# Altium PCB Sensor.PcbDoc (part 3 of 3)
Units mil, origin at the board's own origin, x right, y up, seen from the top; angles counter-clockwise.
Board outline 4420 x 3000 mil, 2 copper layers (Top Layer, Bottom Layer); 1207 components, 78 nets, 2560 pads, 1349 vias.
Unrouted connection lines stored in the file: 1.
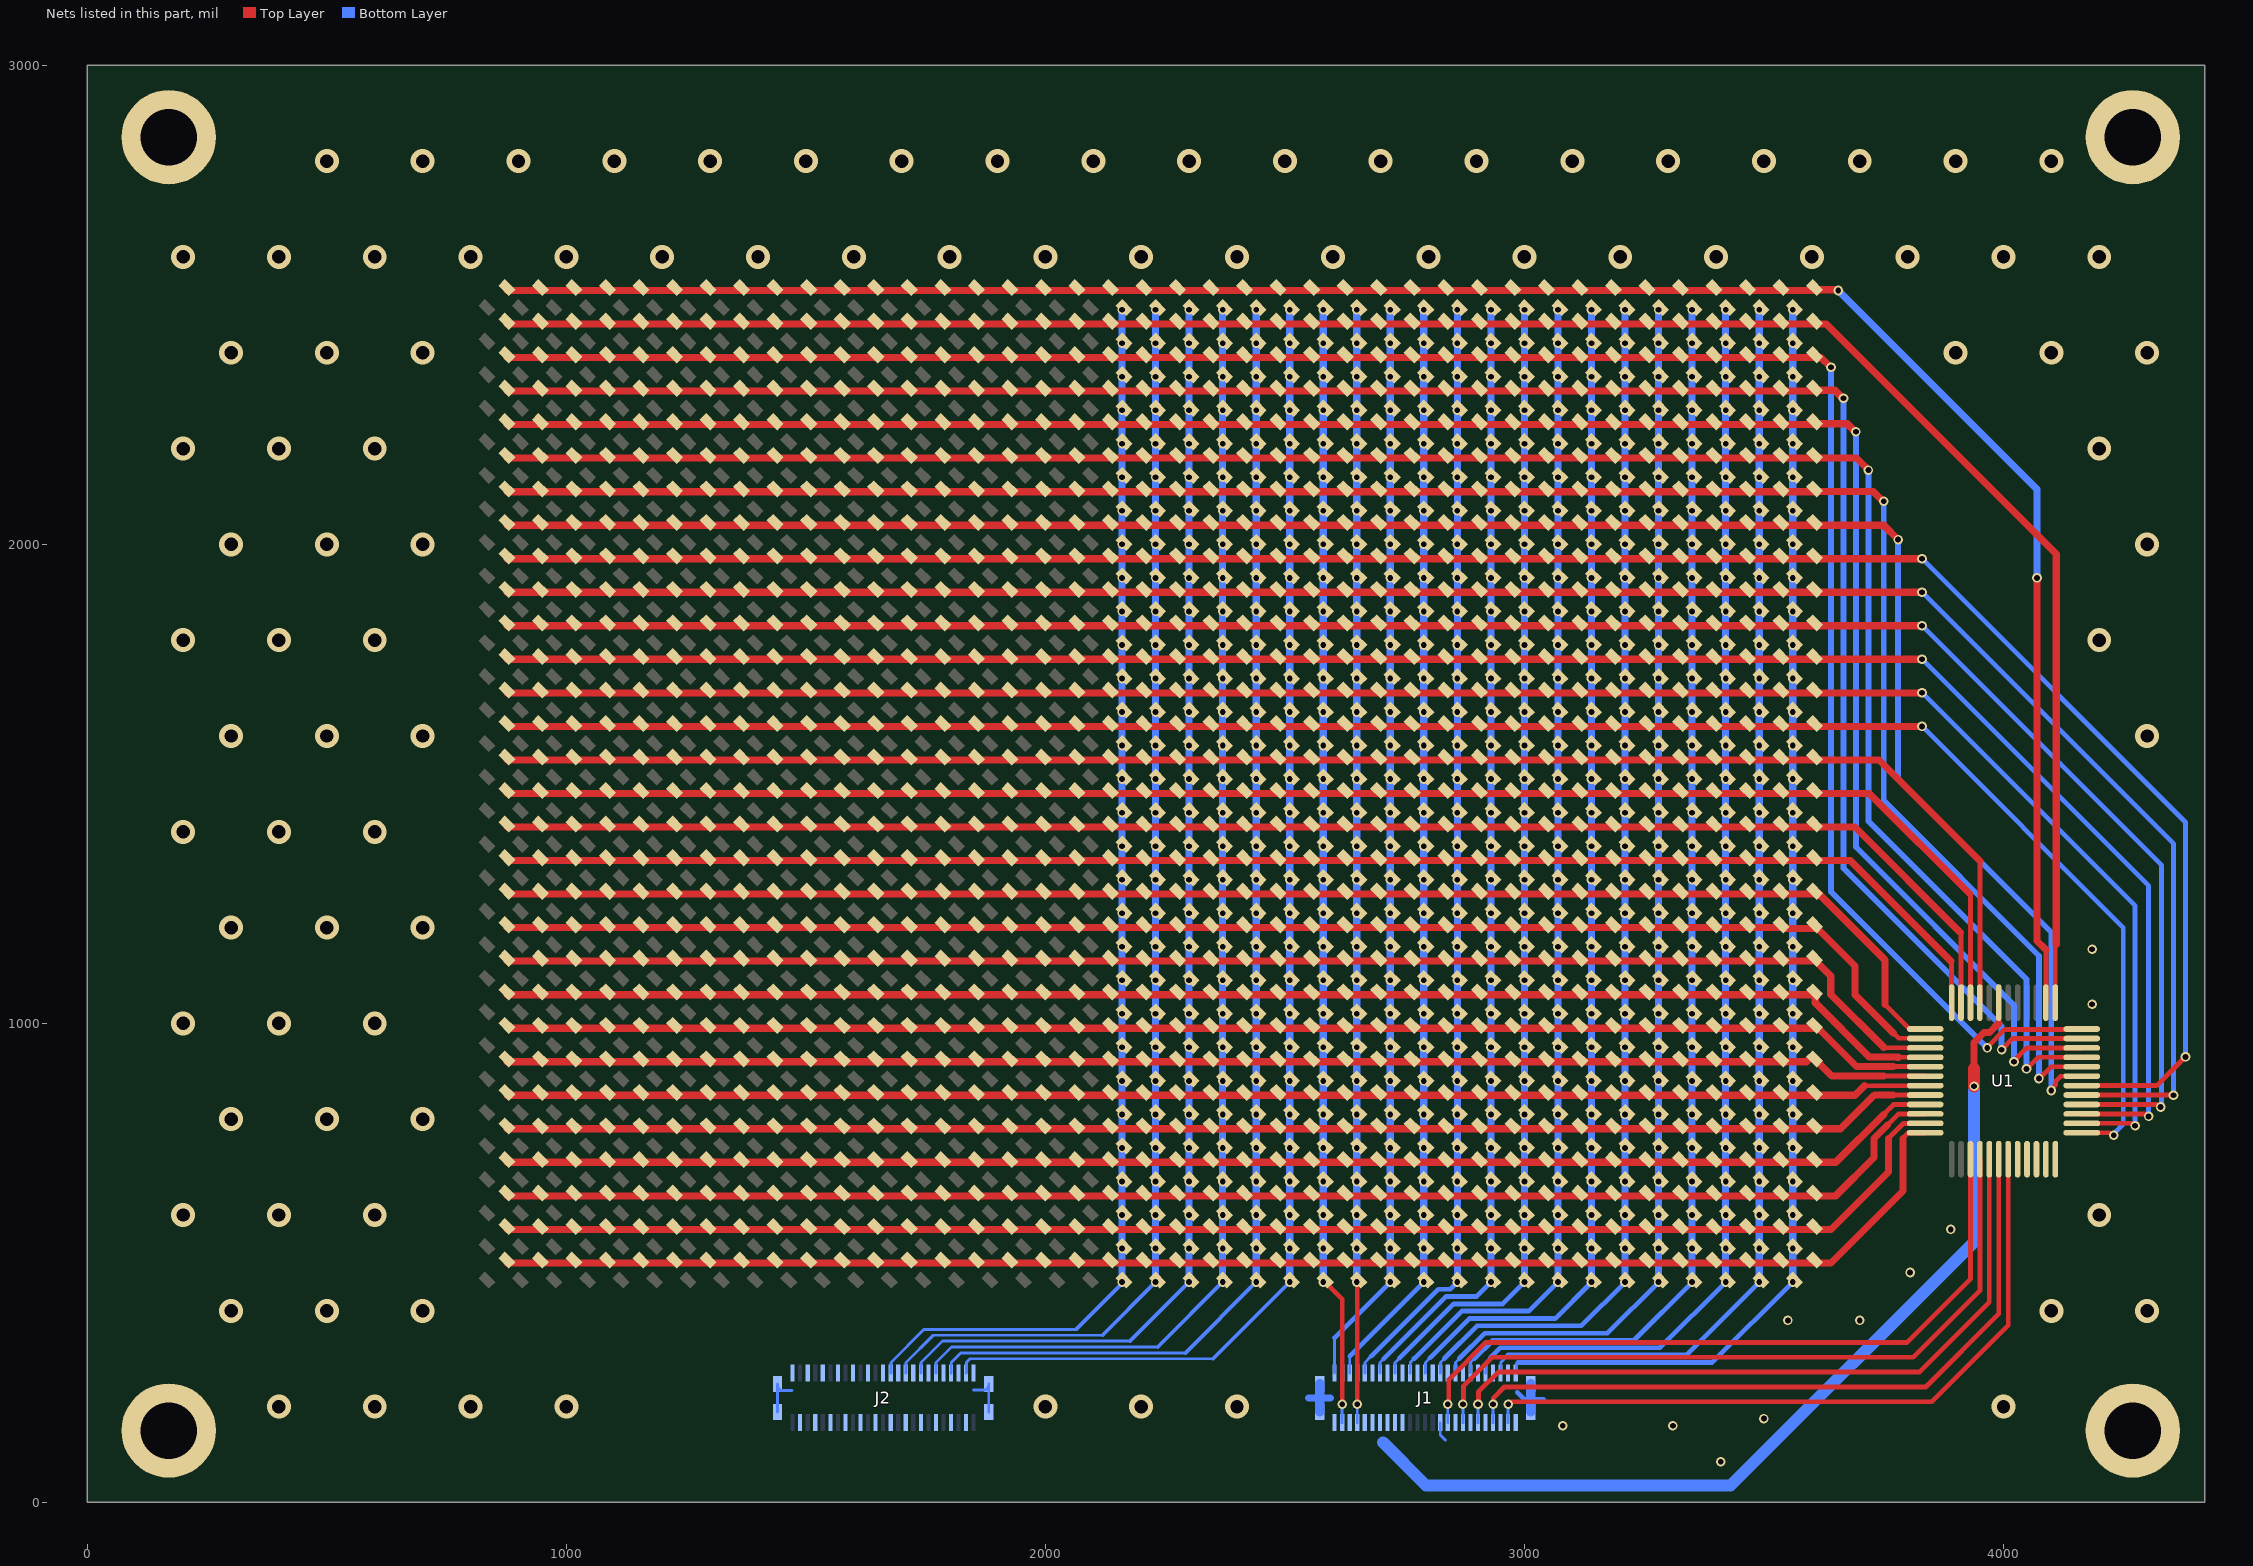
[diagram p3: the nets of this part, all layers, seen from the top]

## Via types
v1: diameter 20, hole 12, Top Layer to Bottom Layer, 1258 vias
v2: diameter 50, hole 28, Top Layer to Bottom Layer, 91 vias

## Nets (pads, with @x,y where several pads share a name; then routed paths per layer and width w, separated by ;. In a path a pad name is that pad's centre, name@x,y a point inside that pad or via, vN(x,y) a via of type N, cw(c..) or ccw(c..) an arc to the next point about the centre after c; other vN are vias at no path point) (continued)
COL_19: J2.28 Q20.C Q60.C Q100.C Q140.C Q180.C Q220.C Q260.C Q300.C Q340.C Q380.C Q420.C Q460.C Q500.C Q540.C Q580.C Q620.C Q660.C Q700.C Q740.C Q780.C Q820.C Q860.C Q900.C Q940.C Q980.C Q1020.C Q1060.C Q1100.C Q1140.C Q1180.C | length 2606
  Bottom Layer w6: J2.28@1677.01,270 1677.43,270.42 1677.43,292.27 1746.52,361.36 2064,361.36 ; v1@2160,457.36 v1(2160,460)
  Bottom Layer w8: 2064,361.36 v1@2160,457.36
  Bottom Layer w15: v1(2160,460) v1(2160,530) v1(2160,600) v1(2160,670) v1(2160,740) v1(2160,810) v1(2160,880) v1(2160,950) v1(2160,1020) v1(2160,1090) v1(2160,1160) v1(2160,1230) v1(2160,1300) v1(2160,1370) v1(2160,1440) v1(2160,1510) v1(2160,1580) v1(2160,1650) v1(2160,1720) v1(2160,1790) v1(2160,1860) v1(2160,1930) v1(2160,2000) v1(2160,2070) v1(2160,2140) v1(2160,2210) v1(2160,2280) v1(2160,2350) v1(2160,2420) v1(2160,2490)
COL_20: J2.32 Q21.C Q61.C Q101.C Q141.C Q181.C Q221.C Q261.C Q301.C Q341.C Q381.C Q421.C Q461.C Q501.C Q541.C Q581.C Q621.C Q661.C Q701.C Q741.C Q781.C Q821.C Q861.C Q901.C Q941.C Q981.C Q1021.C Q1061.C Q1101.C Q1141.C Q1181.C | length 2643
  Bottom Layer w6: J2.32@1708.5,270 1708.92,270.42 1708.92,292.27 1765.74,349.09 2119.09,349.09
  Bottom Layer w8: 2119.09,349.09 v1(2230,460)
  Bottom Layer w15: v1(2230,460) v1(2230,530) v1(2230,600) v1(2230,670) v1(2230,740) v1(2230,810) v1(2230,880) v1(2230,950) v1(2230,1020) v1(2230,1090) v1(2230,1160) v1(2230,1230) v1(2230,1300) v1(2230,1370) v1(2230,1440) v1(2230,1510) v1(2230,1580) v1(2230,1650) v1(2230,1720) v1(2230,1790) v1(2230,1860) v1(2230,1930) v1(2230,2000) v1(2230,2070) v1(2230,2140) v1(2230,2210) v1(2230,2280) v1(2230,2350) v1(2230,2420) v1(2230,2490)
COL_21: J2.36 Q22.C Q62.C Q102.C Q142.C Q182.C Q222.C Q262.C Q302.C Q342.C Q382.C Q422.C Q462.C Q502.C Q542.C Q582.C Q622.C Q662.C Q702.C Q742.C Q782.C Q822.C Q862.C Q902.C Q942.C Q982.C Q1022.C Q1062.C Q1102.C Q1142.C Q1182.C | length 2681.5
  Bottom Layer w6: J2.36@1740,270 1740.42,270.42 1740.42,292.27 1784.96,336.82 2176.82,336.82
  Bottom Layer w8: 2176.82,336.82 v1(2300,460)
  Bottom Layer w15: v1(2300,460) v1(2300,530) v1(2300,600) v1(2300,670) v1(2300,740) v1(2300,810) v1(2300,880) v1(2300,950) v1(2300,1020) v1(2300,1090) v1(2300,1160) v1(2300,1230) v1(2300,1300) v1(2300,1370) v1(2300,1440) v1(2300,1510) v1(2300,1580) v1(2300,1650) v1(2300,1720) v1(2300,1790) v1(2300,1860) v1(2300,1930) v1(2300,2000) v1(2300,2070) v1(2300,2140) v1(2300,2210) v1(2300,2280) v1(2300,2350) v1(2300,2420) v1(2300,2490)
COL_22: J2.40 Q23.C Q63.C Q103.C Q143.C Q183.C Q223.C Q263.C Q303.C Q343.C Q383.C Q423.C Q463.C Q503.C Q543.C Q583.C Q623.C Q663.C Q703.C Q743.C Q783.C Q823.C Q863.C Q903.C Q943.C Q983.C Q1023.C Q1063.C Q1103.C Q1143.C Q1183.C | length 2720
  Bottom Layer w6: J2.40@1771.5,270 1771.91,270.42 1771.91,292.27 1804.19,324.55 2234.55,324.55
  Bottom Layer w8: 2234.55,324.55 v1(2370,460)
  Bottom Layer w15: v1(2370,460) v1(2370,530) v1(2370,600) v1(2370,670) v1(2370,740) v1(2370,810) v1(2370,880) v1(2370,950) v1(2370,1020) v1(2370,1090) v1(2370,1160) v1(2370,1230) v1(2370,1300) v1(2370,1370) v1(2370,1440) v1(2370,1510) v1(2370,1580) v1(2370,1650) v1(2370,1720) v1(2370,1790) v1(2370,1860) v1(2370,1930) v1(2370,2000) v1(2370,2070) v1(2370,2140) v1(2370,2210) v1(2370,2280) v1(2370,2350) v1(2370,2420) v1(2370,2490)
COL_23: J2.44 Q24.C Q64.C Q104.C Q144.C Q184.C Q224.C Q264.C Q304.C Q344.C Q384.C Q424.C Q464.C Q504.C Q544.C Q584.C Q624.C Q664.C Q704.C Q744.C Q784.C Q824.C Q864.C Q904.C Q944.C Q984.C Q1024.C Q1064.C Q1104.C Q1144.C Q1184.C | length 2758.5
  Bottom Layer w6: J2.44@1802.99,270 1803.41,270.42 1803.41,292.27 1823.41,312.27 2292.27,312.27
  Bottom Layer w8: 2292.27,312.27 v1(2440,460)
  Bottom Layer w15: v1(2440,460) v1(2440,530) v1(2440,600) v1(2440,670) v1(2440,740) v1(2440,810) v1(2440,880) v1(2440,950) v1(2440,1020) v1(2440,1090) v1(2440,1160) v1(2440,1230) v1(2440,1300) v1(2440,1370) v1(2440,1440) v1(2440,1510) v1(2440,1580) v1(2440,1650) v1(2440,1720) v1(2440,1790) v1(2440,1860) v1(2440,1930) v1(2440,2000) v1(2440,2070) v1(2440,2140) v1(2440,2210) v1(2440,2280) v1(2440,2350) v1(2440,2420) v1(2440,2490)
COL_24: J2.48 Q25.C Q65.C Q105.C Q145.C Q185.C Q225.C Q265.C Q305.C Q345.C Q385.C Q425.C Q465.C Q505.C Q545.C Q585.C Q625.C Q665.C Q705.C Q745.C Q785.C Q825.C Q865.C Q905.C Q945.C Q985.C Q1025.C Q1065.C Q1105.C Q1145.C Q1185.C | length 2797
  Bottom Layer w6: J2.48@1834.49,270 1834.91,270.42 1834.91,292.27 1842.63,300 2350,300
  Bottom Layer w8: 2350,300 v1(2510,460)
  Bottom Layer w15: v1(2510,460) v1(2510,530) v1(2510,600) v1(2510,670) v1(2510,740) v1(2510,810) v1(2510,880) v1(2510,950) v1(2510,1020) v1(2510,1090) v1(2510,1160) v1(2510,1230) v1(2510,1300) v1(2510,1370) v1(2510,1440) v1(2510,1510) v1(2510,1580) v1(2510,1650) v1(2510,1720) v1(2510,1790) v1(2510,1860) v1(2510,1930) v1(2510,2000) v1(2510,2070) v1(2510,2140) v1(2510,2210) v1(2510,2280) v1(2510,2350) v1(2510,2420) v1(2510,2490)
COL_25: J1.48 Q26.C Q66.C Q106.C Q146.C Q186.C Q226.C Q266.C Q306.C Q346.C Q386.C Q426.C Q466.C Q506.C Q546.C Q586.C Q626.C Q666.C Q706.C Q746.C Q786.C Q826.C Q866.C Q906.C Q946.C Q986.C Q1026.C Q1066.C Q1106.C Q1146.C Q1186.C | length 2342.3
  Top Layer w6: Q26.C@2584.12,459.88 Q26.C@2584.12,464.12
  Top Layer w10: Q26.C@2584.12,459.88 2619.53,424.47 v1(2619.53,205)
  Bottom Layer w6: J1.48@2619.53,166.46 v1(2619.53,205)
  Bottom Layer w15: v1(2580,460) v1(2580,530) v1(2580,600) v1(2580,670) v1(2580,740) v1(2580,810) v1(2580,880) v1(2580,950) v1(2580,1020) v1(2580,1090) v1(2580,1160) v1(2580,1230) v1(2580,1300) v1(2580,1370) v1(2580,1440) v1(2580,1510) v1(2580,1580) v1(2580,1650) v1(2580,1720) v1(2580,1790) v1(2580,1860) v1(2580,1930) v1(2580,2000) v1(2580,2070) v1(2580,2140) v1(2580,2210) v1(2580,2280) v1(2580,2350) v1(2580,2420) v1(2580,2490)
COL_26: J1.44 Q27.C Q67.C Q107.C Q147.C Q187.C Q227.C Q267.C Q307.C Q347.C Q387.C Q427.C Q467.C Q507.C Q547.C Q587.C Q627.C Q667.C Q707.C Q747.C Q787.C Q827.C Q867.C Q907.C Q947.C Q987.C Q1027.C Q1067.C Q1107.C Q1147.C Q1187.C | length 2328.9
  Top Layer w6: Q27.C@2651.02,456.78 2654.12,459.88 Q27.C@2654.12,464.12
  Top Layer w10: v1(2651.02,205) Q27.C@2651.02,456.78
  Bottom Layer w6: J1.44@2651.02,166.46 v1(2651.02,205)
  Bottom Layer w15: v1(2650,460) v1(2650,530) v1(2650,600) v1(2650,670) v1(2650,740) v1(2650,810) v1(2650,880) v1(2650,950) v1(2650,1020) v1(2650,1090) v1(2650,1160) v1(2650,1230) v1(2650,1300) v1(2650,1370) v1(2650,1440) v1(2650,1510) v1(2650,1580) v1(2650,1650) v1(2650,1720) v1(2650,1790) v1(2650,1860) v1(2650,1930) v1(2650,2000) v1(2650,2070) v1(2650,2140) v1(2650,2210) v1(2650,2280) v1(2650,2350) v1(2650,2420) v1(2650,2490)
COL_27: J1.49 Q28.C Q68.C Q108.C Q148.C Q188.C Q228.C Q268.C Q308.C Q348.C Q388.C Q428.C Q468.C Q508.C Q548.C Q588.C Q628.C Q668.C Q708.C Q748.C Q788.C Q828.C Q868.C Q908.C Q948.C Q988.C Q1028.C Q1068.C Q1108.C Q1148.C Q1188.C | length 2268.1
  Bottom Layer w6: J1.49@2603.78,270 2603.78,343.78
  Bottom Layer w10: 2603.78,343.78 v1(2720,460)
  Bottom Layer w15: v1(2720,460) v1(2720,530) v1(2720,600) v1(2720,670) v1(2720,740) v1(2720,810) v1(2720,880) v1(2720,950) v1(2720,1020) v1(2720,1090) v1(2720,1160) v1(2720,1230) v1(2720,1300) v1(2720,1370) v1(2720,1440) v1(2720,1510) v1(2720,1580) v1(2720,1650) v1(2720,1720) v1(2720,1790) v1(2720,1860) v1(2720,1930) v1(2720,2000) v1(2720,2070) v1(2720,2140) v1(2720,2210) v1(2720,2280) v1(2720,2350) v1(2720,2420) v1(2720,2490)
COL_28: J1.45 Q29.C Q69.C Q109.C Q149.C Q189.C Q229.C Q269.C Q309.C Q349.C Q389.C Q429.C Q469.C Q509.C Q549.C Q589.C Q629.C Q669.C Q709.C Q749.C Q789.C Q829.C Q869.C Q909.C Q949.C Q989.C Q1029.C Q1069.C Q1109.C Q1149.C Q1189.C | length 2284.1
  Bottom Layer w6: J1.45@2635.28,270 2635.28,305.28
  Bottom Layer w10: 2635.28,305.28 v1(2790,460)
  Bottom Layer w15: v1(2790,460) v1(2790,530) v1(2790,600) v1(2790,670) v1(2790,740) v1(2790,810) v1(2790,880) v1(2790,950) v1(2790,1020) v1(2790,1090) v1(2790,1160) v1(2790,1230) v1(2790,1300) v1(2790,1370) v1(2790,1440) v1(2790,1510) v1(2790,1580) v1(2790,1650) v1(2790,1720) v1(2790,1790) v1(2790,1860) v1(2790,1930) v1(2790,2000) v1(2790,2070) v1(2790,2140) v1(2790,2210) v1(2790,2280) v1(2790,2350) v1(2790,2420) v1(2790,2490)
COL_29: J1.41 Q30.C Q70.C Q110.C Q150.C Q190.C Q230.C Q270.C Q310.C Q350.C Q390.C Q430.C Q470.C Q510.C Q550.C Q590.C Q630.C Q670.C Q710.C Q750.C Q790.C Q830.C Q870.C Q910.C Q950.C Q990.C Q1030.C Q1070.C Q1110.C Q1150.C Q1190.C | length 2314.7
  Bottom Layer w6: J1.41@2666.77,270 2667.19,270.42 2667.19,292.27 2679.96,305.04
  Bottom Layer w10: 2679.96,305.04 2819.92,445 2845,445 v1(2860,460)
  Bottom Layer w15: v1(2860,460) v1(2860,530) v1(2860,600) v1(2860,670) v1(2860,740) v1(2860,810) v1(2860,880) v1(2860,950) v1(2860,1020) v1(2860,1090) v1(2860,1160) v1(2860,1230) v1(2860,1300) v1(2860,1370) v1(2860,1440) v1(2860,1510) v1(2860,1580) v1(2860,1650) v1(2860,1720) v1(2860,1790) v1(2860,1860) v1(2860,1930) v1(2860,2000) v1(2860,2070) v1(2860,2140) v1(2860,2210) v1(2860,2280) v1(2860,2350) v1(2860,2420) v1(2860,2490)
COL_30: J1.37 Q31.C Q71.C Q111.C Q151.C Q191.C Q231.C Q271.C Q311.C Q351.C Q391.C Q431.C Q471.C Q511.C Q551.C Q591.C Q631.C Q671.C Q711.C Q751.C Q791.C Q831.C Q871.C Q911.C Q951.C Q991.C Q1031.C Q1071.C Q1111.C Q1151.C Q1191.C | length 2352.2
  Bottom Layer w6: J1.37@2698.27,270 2698.69,270.42 2698.69,292.27 2706.42,300
  Bottom Layer w10: 2707.13,300.72 2836.14,429.73 2899.72,429.73 v1(2930,460)
  Bottom Layer w15: v1(2930,460) v1(2930,530) v1(2930,600) v1(2930,670) v1(2930,740) v1(2930,810) v1(2930,880) v1(2930,950) v1(2930,1020) v1(2930,1090) v1(2930,1160) v1(2930,1230) v1(2930,1300) v1(2930,1370) v1(2930,1440) v1(2930,1510) v1(2930,1580) v1(2930,1650) v1(2930,1720) v1(2930,1790) v1(2930,1860) v1(2930,1930) v1(2930,2000) v1(2930,2070) v1(2930,2140) v1(2930,2210) v1(2930,2280) v1(2930,2350) v1(2930,2420) v1(2930,2490)
COL_31: J1.33 Q32.C Q72.C Q112.C Q152.C Q192.C Q232.C Q272.C Q312.C Q352.C Q392.C Q432.C Q472.C Q512.C Q552.C Q592.C Q632.C Q672.C Q712.C Q752.C Q792.C Q832.C Q872.C Q912.C Q952.C Q992.C Q1032.C Q1072.C Q1112.C Q1152.C Q1192.C | length 2391.7
  Bottom Layer w6: J1.33@2729.76,270 2730.18,270.42 2730.18,292.27 2738.95,301.05
  Bottom Layer w10: 2738.95,301.05 2852.36,414.45 2954.45,414.45 v1(3000,460)
  Bottom Layer w15: v1(3000,460) v1(3000,530) v1(3000,600) v1(3000,670) v1(3000,740) v1(3000,810) v1(3000,880) v1(3000,950) v1(3000,1020) v1(3000,1090) v1(3000,1160) v1(3000,1230) v1(3000,1300) v1(3000,1370) v1(3000,1440) v1(3000,1510) v1(3000,1580) v1(3000,1650) v1(3000,1720) v1(3000,1790) v1(3000,1860) v1(3000,1930) v1(3000,2000) v1(3000,2070) v1(3000,2140) v1(3000,2210) v1(3000,2280) v1(3000,2350) v1(3000,2420) v1(3000,2490)
COL_32: J1.29 Q33.C Q73.C Q113.C Q153.C Q193.C Q233.C Q273.C Q313.C Q353.C Q393.C Q433.C Q473.C Q513.C Q553.C Q593.C Q633.C Q673.C Q713.C Q753.C Q793.C Q833.C Q873.C Q913.C Q953.C Q993.C Q1033.C Q1073.C Q1113.C Q1153.C Q1193.C | length 2431.8
  Bottom Layer w6: J1.29@2761.26,270 2761.68,270.42 2761.68,292.27 2769.91,300.51 ; 3008,399.18 3009.18,399.18
  Bottom Layer w10: 2769.7,300.72 2770.75,300.72 2869.48,399.45 2960.66,399.45 2960.7,399.49 3008.86,399.49 3009.18,399.18 v1(3070,460)
  Bottom Layer w15: v1(3070,460) v1(3070,530) v1(3070,600) v1(3070,670) v1(3070,740) v1(3070,810) v1(3070,880) v1(3070,950) v1(3070,1020) v1(3070,1090) v1(3070,1160) v1(3070,1230) v1(3070,1300) v1(3070,1370) v1(3070,1440) v1(3070,1510) v1(3070,1580) v1(3070,1650) v1(3070,1720) v1(3070,1790) v1(3070,1860) v1(3070,1930) v1(3070,2000) v1(3070,2070) v1(3070,2140) v1(3070,2210) v1(3070,2280) v1(3070,2350) v1(3070,2420) v1(3070,2490)
COL_33: J1.25 Q34.C Q74.C Q114.C Q154.C Q194.C Q234.C Q274.C Q314.C Q354.C Q394.C Q434.C Q474.C Q514.C Q554.C Q594.C Q634.C Q674.C Q714.C Q754.C Q794.C Q834.C Q874.C Q914.C Q954.C Q994.C Q1034.C Q1074.C Q1114.C Q1154.C Q1194.C | length 2468.7
  Bottom Layer w6: J1.25@2792.76,270 2793.17,270.42 2793.17,292.27 2802.95,302.05
  Bottom Layer w10: 2802.95,302.05 2884.8,383.9 3063.9,383.9 v1(3140,460)
  Bottom Layer w15: v1(3140,460) v1(3140,530) v1(3140,600) v1(3140,670) v1(3140,740) v1(3140,810) v1(3140,880) v1(3140,950) v1(3140,1020) v1(3140,1090) v1(3140,1160) v1(3140,1230) v1(3140,1300) v1(3140,1370) v1(3140,1440) v1(3140,1510) v1(3140,1580) v1(3140,1650) v1(3140,1720) v1(3140,1790) v1(3140,1860) v1(3140,1930) v1(3140,2000) v1(3140,2070) v1(3140,2140) v1(3140,2210) v1(3140,2280) v1(3140,2350) v1(3140,2420) v1(3140,2490)
COL_34: J1.21 Q35.C Q75.C Q115.C Q155.C Q195.C Q235.C Q275.C Q315.C Q355.C Q395.C Q435.C Q475.C Q515.C Q555.C Q595.C Q635.C Q675.C Q715.C Q755.C Q795.C Q835.C Q875.C Q915.C Q955.C Q995.C Q1035.C Q1075.C Q1115.C Q1155.C Q1195.C | length 2505.9
  Bottom Layer w6: J1.21@2824.25,270 2824.67,270.42 2824.67,292.27 2832.16,299.76
  Bottom Layer w10: 2833.11,300.72 2901.02,368.63 3118.63,368.63 v1(3210,460)
  Bottom Layer w15: v1(3210,460) v1(3210,530) v1(3210,600) v1(3210,670) v1(3210,740) v1(3210,810) v1(3210,880) v1(3210,950) v1(3210,1020) v1(3210,1090) v1(3210,1160) v1(3210,1230) v1(3210,1300) v1(3210,1370) v1(3210,1440) v1(3210,1510) v1(3210,1580) v1(3210,1650) v1(3210,1720) v1(3210,1790) v1(3210,1860) v1(3210,1930) v1(3210,2000) v1(3210,2070) v1(3210,2140) v1(3210,2210) v1(3210,2280) v1(3210,2350) v1(3210,2420) v1(3210,2490)
COL_35: J1.17 Q36.C Q76.C Q116.C Q156.C Q196.C Q236.C Q276.C Q316.C Q356.C Q396.C Q436.C Q476.C Q516.C Q556.C Q596.C Q636.C Q676.C Q716.C Q756.C Q796.C Q836.C Q876.C Q916.C Q956.C Q996.C Q1036.C Q1076.C Q1116.C Q1156.C Q1196.C | length 2545.8
  Bottom Layer w6: J1.17@2855.75,270 2856.17,270.42 2856.17,292.27 2864.45,300.55
  Bottom Layer w10: 2864.45,300.55 2917.24,353.35 3173.35,353.35 v1(3280,460)
  Bottom Layer w15: v1(3280,460) v1(3280,530) v1(3280,600) v1(3280,670) v1(3280,740) v1(3280,810) v1(3280,880) v1(3280,950) v1(3280,1020) v1(3280,1090) v1(3280,1160) v1(3280,1230) v1(3280,1300) v1(3280,1370) v1(3280,1440) v1(3280,1510) v1(3280,1580) v1(3280,1650) v1(3280,1720) v1(3280,1790) v1(3280,1860) v1(3280,1930) v1(3280,2000) v1(3280,2070) v1(3280,2140) v1(3280,2210) v1(3280,2280) v1(3280,2350) v1(3280,2420) v1(3280,2490)
COL_36: J1.13 Q37.C Q77.C Q117.C Q157.C Q197.C Q237.C Q277.C Q317.C Q357.C Q397.C Q437.C Q477.C Q517.C Q557.C Q597.C Q637.C Q677.C Q717.C Q757.C Q797.C Q837.C Q877.C Q917.C Q957.C Q997.C Q1037.C Q1077.C Q1117.C Q1157.C Q1197.C | length 2584.5
  Bottom Layer w6: J1.13@2887.24,270 2887.66,270.42 2887.66,292.27 2895.65,300.26
  Bottom Layer w10: 2895.19,300.72 2896.11,300.72 2933.47,338.08 3228.08,338.08 v1(3350,460)
  Bottom Layer w15: v1(3350,460) v1(3350,530) v1(3350,600) v1(3350,670) v1(3350,740) v1(3350,810) v1(3350,880) v1(3350,950) v1(3350,1020) v1(3350,1090) v1(3350,1160) v1(3350,1230) v1(3350,1300) v1(3350,1370) v1(3350,1440) v1(3350,1510) v1(3350,1580) v1(3350,1650) v1(3350,1720) v1(3350,1790) v1(3350,1860) v1(3350,1930) v1(3350,2000) v1(3350,2070) v1(3350,2140) v1(3350,2210) v1(3350,2280) v1(3350,2350) v1(3350,2420) v1(3350,2490)
COL_37: J1.9 Q38.C Q78.C Q118.C Q158.C Q198.C Q238.C Q278.C Q318.C Q358.C Q398.C Q438.C Q478.C Q518.C Q558.C Q598.C Q638.C Q678.C Q718.C Q758.C Q798.C Q838.C Q878.C Q918.C Q958.C Q998.C Q1038.C Q1078.C Q1118.C Q1158.C Q1198.C | length 2622.8
  Bottom Layer w6: J1.9@2918.74,270 2919.16,270.42 2919.16,292.27 2928.44,301.56
  Bottom Layer w10: 2928.44,301.56 2949.69,322.8 3282.8,322.8 v1(3420,460)
  Bottom Layer w15: v1(3420,460) v1(3420,530) v1(3420,600) v1(3420,670) v1(3420,740) v1(3420,810) v1(3420,880) v1(3420,950) v1(3420,1020) v1(3420,1090) v1(3420,1160) v1(3420,1230) v1(3420,1300) v1(3420,1370) v1(3420,1440) v1(3420,1510) v1(3420,1580) v1(3420,1650) v1(3420,1720) v1(3420,1790) v1(3420,1860) v1(3420,1930) v1(3420,2000) v1(3420,2070) v1(3420,2140) v1(3420,2210) v1(3420,2280) v1(3420,2350) v1(3420,2420) v1(3420,2490)
COL_38: J1.5 Q39.C Q79.C Q119.C Q159.C Q199.C Q239.C Q279.C Q319.C Q359.C Q399.C Q439.C Q479.C Q519.C Q559.C Q599.C Q639.C Q679.C Q719.C Q759.C Q799.C Q839.C Q879.C Q919.C Q959.C Q999.C Q1039.C Q1079.C Q1119.C Q1159.C Q1199.C | length 2661.3
  Bottom Layer w6: J1.5@2950.24,270 2950.65,270.42 2950.65,292.27 2965.91,307.53
  Bottom Layer w10: 2965.91,307.53 3337.53,307.53 v1(3490,460)
  Bottom Layer w15: v1(3490,460) v1(3490,530) v1(3490,600) v1(3490,670) v1(3490,740) v1(3490,810) v1(3490,880) v1(3490,950) v1(3490,1020) v1(3490,1090) v1(3490,1160) v1(3490,1230) v1(3490,1300) v1(3490,1370) v1(3490,1440) v1(3490,1510) v1(3490,1580) v1(3490,1650) v1(3490,1720) v1(3490,1790) v1(3490,1860) v1(3490,1930) v1(3490,2000) v1(3490,2070) v1(3490,2140) v1(3490,2210) v1(3490,2280) v1(3490,2350) v1(3490,2420) v1(3490,2490)
COL_39: J1.1 Q40.C Q80.C Q120.C Q160.C Q200.C Q240.C Q280.C Q320.C Q360.C Q400.C Q440.C Q480.C Q520.C Q560.C Q600.C Q640.C Q680.C Q720.C Q760.C Q800.C Q840.C Q880.C Q920.C Q960.C Q1000.C Q1040.C Q1080.C Q1120.C Q1160.C Q1200.C | length 2697.2
  Bottom Layer w6: J1.1@2981.73,270 2983.06,271.33 2983.06,288.74 2986.58,292.25
  Bottom Layer w10: 2986.58,292.25 3392.25,292.25 v1(3560,460)
  Bottom Layer w15: v1(3560,460) v1(3560,530) v1(3560,600) v1(3560,670) v1(3560,740) v1(3560,810) v1(3560,880) v1(3560,950) v1(3560,1020) v1(3560,1090) v1(3560,1160) v1(3560,1230) v1(3560,1300) v1(3560,1370) v1(3560,1440) v1(3560,1510) v1(3560,1580) v1(3560,1650) v1(3560,1720) v1(3560,1790) v1(3560,1860) v1(3560,1930) v1(3560,2000) v1(3560,2070) v1(3560,2140) v1(3560,2210) v1(3560,2280) v1(3560,2350) v1(3560,2420) v1(3560,2490)
GND: J1.2 J1.3 J1.6 J1.7 J1.10 J1.11 J1.14 J1.15 J1.18 J1.19 J1.22 J1.23 J1.27 J1.31 J1.32 J1.35 J1.39 J1.42 J1.43 J1.46 J1.47 J1.50 J1.MP1 J1.MP2 J1.MP3 J1.MP4 J2.2 J2.3 J2.6 J2.7 J2.10 J2.11 J2.14 J2.15 J2.18 J2.19 J2.22 J2.23 J2.26 J2.27 J2.30 J2.31 J2.34 J2.35 J2.38 J2.39 J2.42 J2.43 J2.46 J2.47 J2.50 J2.MP1 J2.MP2 J2.MP3 J2.MP4 MP1.1 MP2.1 MP3.1 MP4.1 U1.20 U1.21 U1.22 U1.23 U1.24 | length 448
  Bottom Layer w6: J2.MP1@1440.79,189.09 J2.MP2@1440.79,240.47 ; J2.MP2@1440.79,247.36 J2.MP2@1440.79,240.47 ; 1470.93,233.63 1447.63,233.63 J2.MP2@1440.79,240.47 ; 1850,235 1874.89,235 J2.MP4@1881.73,241.84 ; J2.MP3@1881.73,189.09 J2.MP4@1881.73,241.84 ; J2.MP4@1881.73,247.36 J2.MP4@1881.73,241.84 ; J1.22@2824.25,166.46 2824.25,140.75 2835,130